# Altium PCB main - Copy.PcbDoc (part 14 of 14)
Units mil, origin at the board's own origin, x right, y up, seen from the top; angles counter-clockwise.
Board outline 8394.55 x 5164.44 mil, 7 copper layers (Top Layer 1, Layer 2, Layer 3, Unused, Layer 4_pow, Layer 5_gnd, Bottom 6+gnd), stack 46.112 mil thick; 406 components, 463 nets, 1919 pads, 903 vias.
Unrouted connection lines stored in the file: 147.
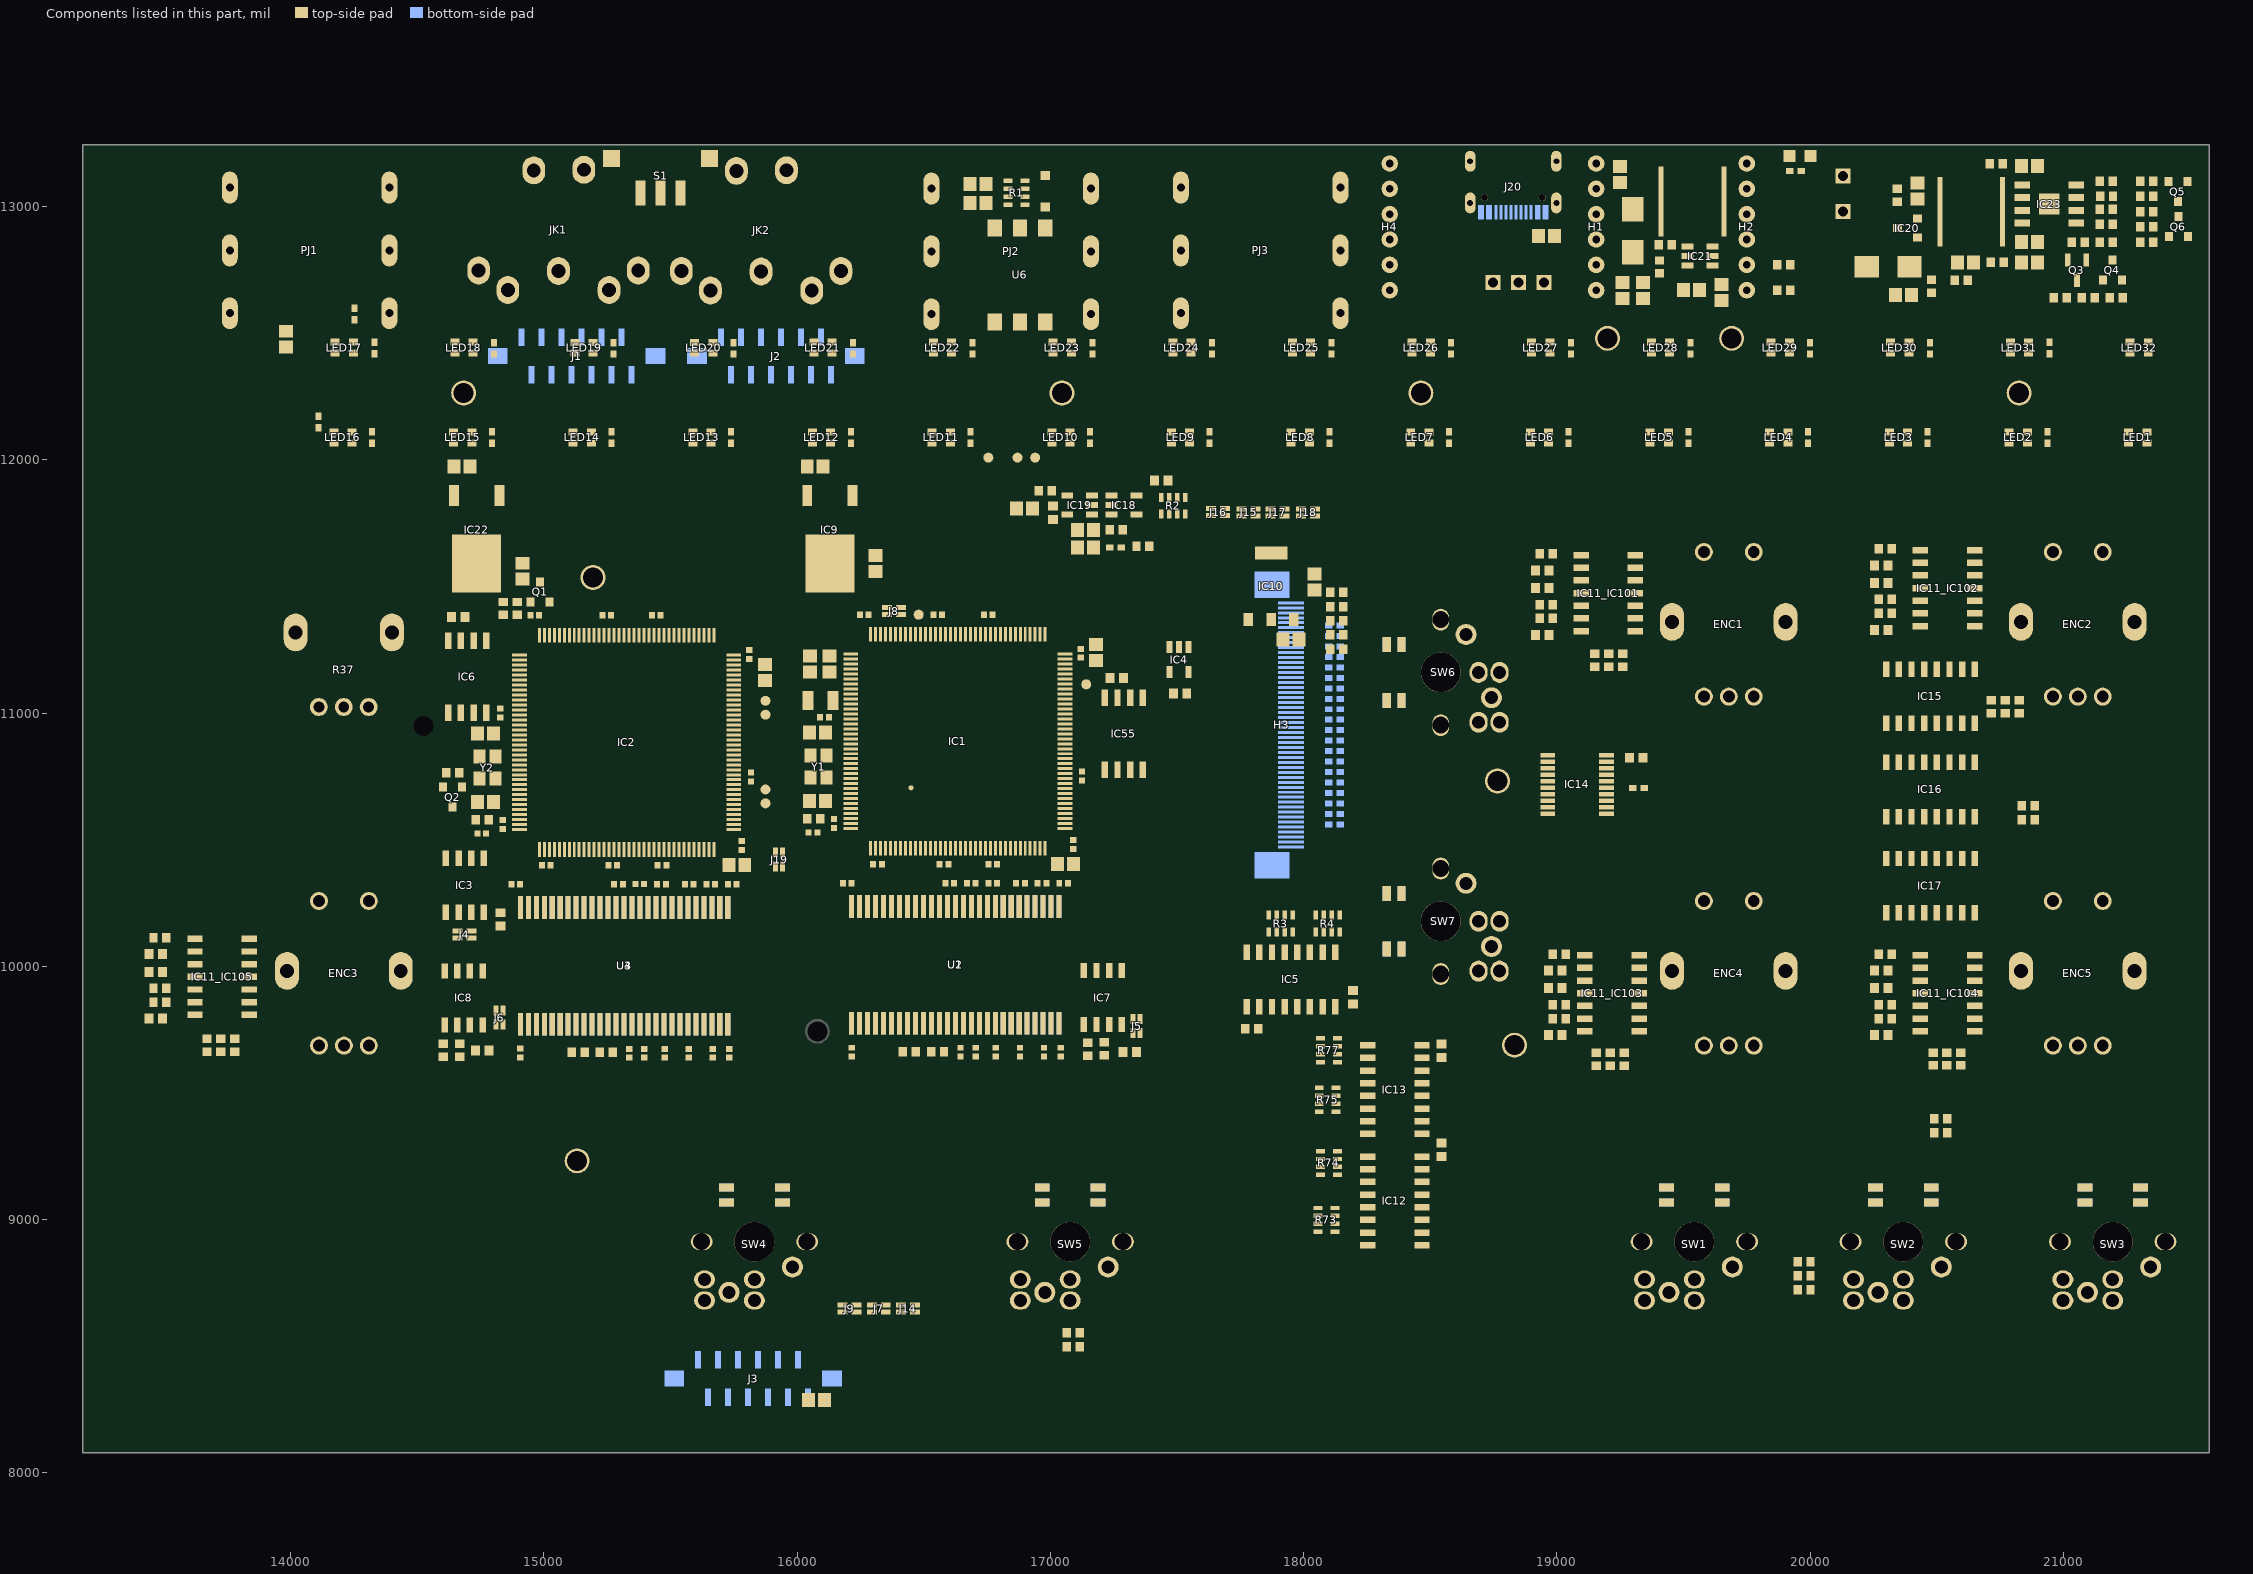
[diagram p18: the components of this part, seen from the top]

## Polygon pours and split planes (outlines as drawn) (continued)
GND on Top Layer 1 "NONET_L01_P-001" (solid, remove dead copper, pour order 23): 16007.09,11422.2 17411.5,11424.28 17411.5,9612.2 16007.09,9612.2
NetC92_2 on Top Layer 1 "NONET_L01_P-001" (solid, remove dead copper, pour order 65): 20299.17,12872.67 20174.78,12804.67 20319.17,12670 20363.07,12667.77 20362.61,12693.14 20355.47,12696.94 20319.17,12697.24 20319.17,12812.03 20319.17,12830.11 20359.17,12830.11 20359.17,13030.11 20309.17,13030.11 20299.17,13020.11
GND on Top Layer 1 "NONET_L01_P-001" (solid, remove dead copper, pour order 22): 15933.33,9610.26 14566.25,9610.26 14566.25,11423.25 15928.33,11425.26 15928.33,9615.26
+V_SYS on Top Layer 1 "NONET_L01_P-001" (solid, remove dead copper, pour order 54): 19922.36,12999.99 19935.93,13013.56 19935.93,13083.88 19869.81,13149.99 19674.81,13149.99 19674.81,12805.87 19795.87,12805.87 19890,12900 19890,12999.99
+V_SYS on Top Layer 1 "+V_SYS_L01_P055" (solid, remove dead copper, pour order 55): 19545.6,12647.54 19701.22,12653.11 19701.22,12878.78 19675.6,12904.4 19585.6,12904.4 19565.6,12884.4 19565.6,12704.4 19545.6,12684.4
+5V on Top Layer 1 "+5V_L01_P056" (solid, remove dead copper, pour order 56): 19195.6,12714.21 19235.4,12674.4 19375.6,12674.4 19375.6,12884.4 19365.6,12894.4 19305.6,12894.4 19265.6,12934.4 19265.6,13119.99 19195.6,13119.99
NetD3_1 on Top Layer 1 "NETD3_1_L01_P057" (solid, remove dead copper, pour order 57): 19335.2,12964.77 19419.81,12964.77 19419.81,13044.77 19325.2,13044.77
GND on Top Layer 1 "GND_L01_P058" (solid, remove dead copper, pour order 58): 19399.81,12719.99 19435.01,12762.85 19435.01,12884.4 19545.6,12884.4 19545.6,12724.4 19484.02,12639.99 19428.84,12639.99 19383.74,12700.43
+MCU on Top Layer 1 "+MCU_L01_P032" (solid, remove dead copper, pour order 32): 14825,12130 14871.05,12083.95 14871.05,12061.05 14871.25,12060.85 14871.25,12032.85 14866.56,12028.15 14827.87,12028.15
+5V on Layer 2 "+5V_L02_P030" (solid, pour order 30): 13180,13250 13180,8080 21575,8080 21580,8085 21575,8090 21575,13245
GND on Layer 2 "NONET_L01_P-001" (solid, remove dead copper, pour order 64): 20299.02,12560 20299.02,13240 21519.02,13240 21519.02,12560
+MCU on Layer 2 "NONET_L01_P-001" (solid, remove dead copper, pour order 24): 16009.17,11423.82 17405,11423.82 17405,9612.8 16009.17,9612.8
+MCU on Layer 2 "NONET_L01_P-001" (solid, remove dead copper, pour order 25): 15931.25,11421.87 14566.25,11421.87 14566.25,9610.85 15931.25,9610.85
GND on Bottom 6+gnd "GND_L07_P029" (solid, remove dead copper, pour order 29): 13175,13240 13180,13235 13180,8080 21575,8080 21575,13245
GND on Bottom 6+gnd "GND_L07_P017" (solid, remove dead copper, pour order 17): 16011.74,11974.96 17405,11974.96 17405,10163.93 16011.74,10163.93
GND on Bottom 6+gnd "GND_L07_P016" (solid, remove dead copper, pour order 16): 15933.81,11973.01 14566.25,11973.01 14566.25,10161.99 15933.81,10161.99
GND on Layer 5_gnd "GND_L06_P033" (solid, pour order 33): 13180,13250 13170,13240 13170,8075 21570,8075 21575,8080 21575,13245

## Silkscreen, mask and mechanical layers (free items; w line width, h text height)
Top Overlay:
  circle w10: c19690,12480 r88.03
  circle w10: c19200,12480 r88.03
  lines w5: 19700.2,12639.13 19700.2,12780.86 ; 20149.41,12689.13 20149.41,12830.87 ; 21007.8,12886.93 20974.02,12835 20974.02,12735 20914.02,12670 20914.02,12595 21269.02,12595 21269.02,12775 21269.02,12835 21218.98,12886.93
  lines w10: 14210.63,9913.19 14210.63,9982.6 ; 16180,8708.82 16180,8738.82 16350,8738.82 ; 16235,8588.82 16235,8573.82 16295,8573.82 16295,8588.82 ; 16465,8713.82 16465,8738.82 16410,8738.82 ; 17605,11648.82 17690,11648.82 17690,11688.82 ; 17605,11728.82 17635,11728.82 ; 17635,11748.82 17635,11728.82 ; 17690,11748.82 17690,11688.82 ; 17755,11748.82 17755,11728.82 ; 17815,11748.82 17815,11688.82 ; 17925,11693.82 17925,11748.82 ; 17990,11748.82 17990,11728.82 17870,11728.82 ; 18045,11743.82 18045,11688.82 17935,11688.82 17815,11688.82 ; 16350,8738.82 16410,8738.82 ; 16350,8738.82 16350,8713.82 16350,8738.82 ; 16410,8738.82 16410,8713.82 16410,8738.82 ; 17635,11728.82 17755,11728.82 ; 17690,11688.82 17815,11688.82 ; 17755,11728.82 17870,11728.82 ; 17870,11728.82 17870,11748.82 17870,11728.82
  text "SWD" at 17590,11698.82 h24 r90
  text "ADC" at 17595,11608.82 h24 r90
  text "SPI" at 16285,8753.82 h24
  text "I2C" at 16235,8533.82 h24
Bottom Overlay:
  lines w10: 18279.81,12380 18279.81,13239.99 19829.81,13239.99 19829.81,12380 18279.81,12380
Board Shape:
  lines w10: 18274.81,12549.99 19824.81,12549.99 19824.81,13244.99 18274.81,13244.99 18274.81,12549.99
Outline:
  circle w0.5: c14210.88,12441.31 r19.68
  circle w0.5: c14210.88,12086.98 r19.68
  circle w0.5: c14683.32,12441.31 r19.68
  circle w0.5: c14683.32,12086.98 r19.68
  circle w0.5: c15155.76,12441.31 r19.68
  circle w0.5: c15155.76,12086.98 r19.68
  circle w0.5: c15628.2,12441.31 r19.68
  circle w0.5: c15628.2,12086.98 r19.68
  circle w0.5: c16100.64,12441.31 r19.68
  circle w0.5: c16100.64,12086.98 r19.68
  circle w0.5: c16573.08,12441.31 r19.68
  circle w0.5: c16573.08,12086.98 r19.68
  circle w0.5: c17045.52,12441.31 r19.68
  circle w0.5: c17045.52,12086.98 r19.68
  circle w0.5: c17517.96,12441.31 r19.68
  circle w0.5: c17517.96,12086.98 r19.68
  circle w0.5: c17990.4,12441.31 r19.68
  circle w0.5: c17990.4,12086.98 r19.68
  circle w0.5: c18462.85,12441.31 r19.68
  circle w0.5: c18462.85,12086.98 r19.68
  circle w0.5: c18935.29,12441.31 r19.68
  circle w0.5: c18935.29,12086.98 r19.68
  circle w0.5: c19407.73,12441.31 r19.68
  circle w0.5: c19407.73,12086.98 r19.68
  circle w0.5: c19880.17,12441.31 r19.68
  circle w0.5: c19880.17,12086.98 r19.68
  circle w0.5: c20352.61,12441.31 r19.68
  circle w0.5: c20352.61,12086.98 r19.68
  circle w0.5: c20825.05,12441.31 r19.68
  circle w0.5: c20825.05,12086.98 r19.68
  circle w0.5: c21297.49,12441.31 r19.68
  circle w0.5: c21297.49,12086.98 r19.68
  circle w10: c21194.5,8913.12 r59.06
  circle w10: c20367.72,8913.12 r59.06
  circle w10: c19542.61,8913.12 r59.06
  circle w10: c21056.7,11360.55 r59.06
  circle w10: c21056.7,9982.6 r59.06
  circle w10: c19678.75,9982.6 r59.06
  circle w10: c19678.75,11360.55 r59.06
  circle w10: c18541.34,10178.22 r59.06
  circle w10: c18541.34,11160.81 r59.06
  circle w10: c15831.38,8913.12 r59.06
  circle w10: c17078.06,8913.12 r59.06
  circle w10: c14210.63,9982.6 r59.06
  circle w10: c14210.63,11360.55 r59.06
  lines w10: 12992.13,11692.91 12992.13,12244.09 ; 14960.25,13143 15157.75,13143 ; 13180.25,8670.67 13180.25,8079.59 21574.8,8079.59 21574.8,8670.67 ; 13180.25,8670.67 21574.8,8670.67 ; 13180.25,8670.67 13180.25,13244.04 21574.8,13244.04 21574.8,8670.67 ; 18935.29,12086.98 18935.29,12086.98

## Text inside footprints (layer, text, board x,y; h text height)
H3: Bottom Overlay "1" at 18030.42,10466.71 h25 r270; Bottom Overlay "5" at 18030.42,10545.45 h25 r270; Bottom Overlay "10" at 18030.42,10643.87 h25 r270; Bottom Overlay "15" at 18030.42,10742.3 h25 r270; Bottom Overlay "20" at 18030.42,10840.73 h25 r270; Bottom Overlay "25" at 18030.42,10939.15 h25 r270; Bottom Overlay "30" at 18030.42,11037.58 h25 r270; Bottom Overlay "35" at 18030.42,11136 h25 r270; Bottom Overlay "40" at 18030.42,11234.43 h25 r270; Bottom Overlay "45" at 18030.42,11332.85 h25 r270; Bottom Overlay "50" at 18030.42,11431.28 h25 r270
SW1: Bottom Overlay "R" at 19407.61,9042.12 h22.8 r180; Bottom Overlay "G" at 19652.61,9042.12 h22.8 r180; Bottom Overlay "B" at 19652.61,9042.12 h22.8 r180; Top Overlay "R" at 19432.61,9042.12 h22.8 r180; Top Overlay "G" at 19432.61,9187.12 h22.8 r180; Top Overlay "B" at 19677.61,9042.12 h22.8 r180
SW2: Bottom Overlay "R" at 20232.72,9042.12 h22.8 r180; Bottom Overlay "G" at 20477.72,9042.12 h22.8 r180; Bottom Overlay "B" at 20477.72,9042.12 h22.8 r180; Top Overlay "R" at 20257.72,9042.12 h22.8 r180; Top Overlay "G" at 20257.72,9187.12 h22.8 r180; Top Overlay "B" at 20502.72,9042.12 h22.8 r180
SW3: Bottom Overlay "R" at 21059.5,9042.12 h22.8 r180; Bottom Overlay "G" at 21304.5,9042.12 h22.8 r180; Bottom Overlay "B" at 21304.5,9042.12 h22.8 r180; Top Overlay "R" at 21084.49,9042.12 h22.8 r180; Top Overlay "G" at 21084.49,9187.12 h22.8 r180; Top Overlay "B" at 21329.49,9042.12 h22.8 r180
SW4: Bottom Overlay "R" at 15696.38,9042.12 h22.8 r180; Bottom Overlay "G" at 15941.38,9042.12 h22.8 r180; Bottom Overlay "B" at 15941.38,9042.12 h22.8 r180; Top Overlay "R" at 15721.38,9042.12 h22.8 r180; Top Overlay "G" at 15721.38,9187.12 h22.8 r180; Top Overlay "B" at 15966.38,9042.12 h22.8 r180
SW5: Bottom Overlay "R" at 16943.06,9042.12 h22.8 r180; Bottom Overlay "G" at 17188.06,9042.12 h22.8 r180; Bottom Overlay "B" at 17188.06,9042.12 h22.8 r180; Top Overlay "R" at 16968.06,9042.12 h22.8 r180; Top Overlay "G" at 16968.06,9187.12 h22.8 r180; Top Overlay "B" at 17213.06,9042.12 h22.8 r180
SW6: Bottom Overlay "B" at 18412.34,11270.81 h22.8 r270; Bottom Overlay "G" at 18412.34,11270.81 h22.8 r270; Bottom Overlay "R" at 18412.34,11025.81 h22.8 r270; Top Overlay "B" at 18412.34,11295.81 h22.8 r270; Top Overlay "G" at 18267.34,11050.81 h22.8 r270; Top Overlay "R" at 18412.34,11050.81 h22.8 r270
SW7: Bottom Overlay "B" at 18412.34,10288.22 h22.8 r270; Bottom Overlay "G" at 18412.34,10288.22 h22.8 r270; Bottom Overlay "R" at 18412.34,10043.22 h22.8 r270; Top Overlay "B" at 18412.34,10313.22 h22.8 r270; Top Overlay "G" at 18267.34,10068.22 h22.8 r270; Top Overlay "R" at 18412.34,10068.22 h22.8 r270